# Altium PCB GN-1866-A-V2.PCBDOC (part 4 of 5) (continued)
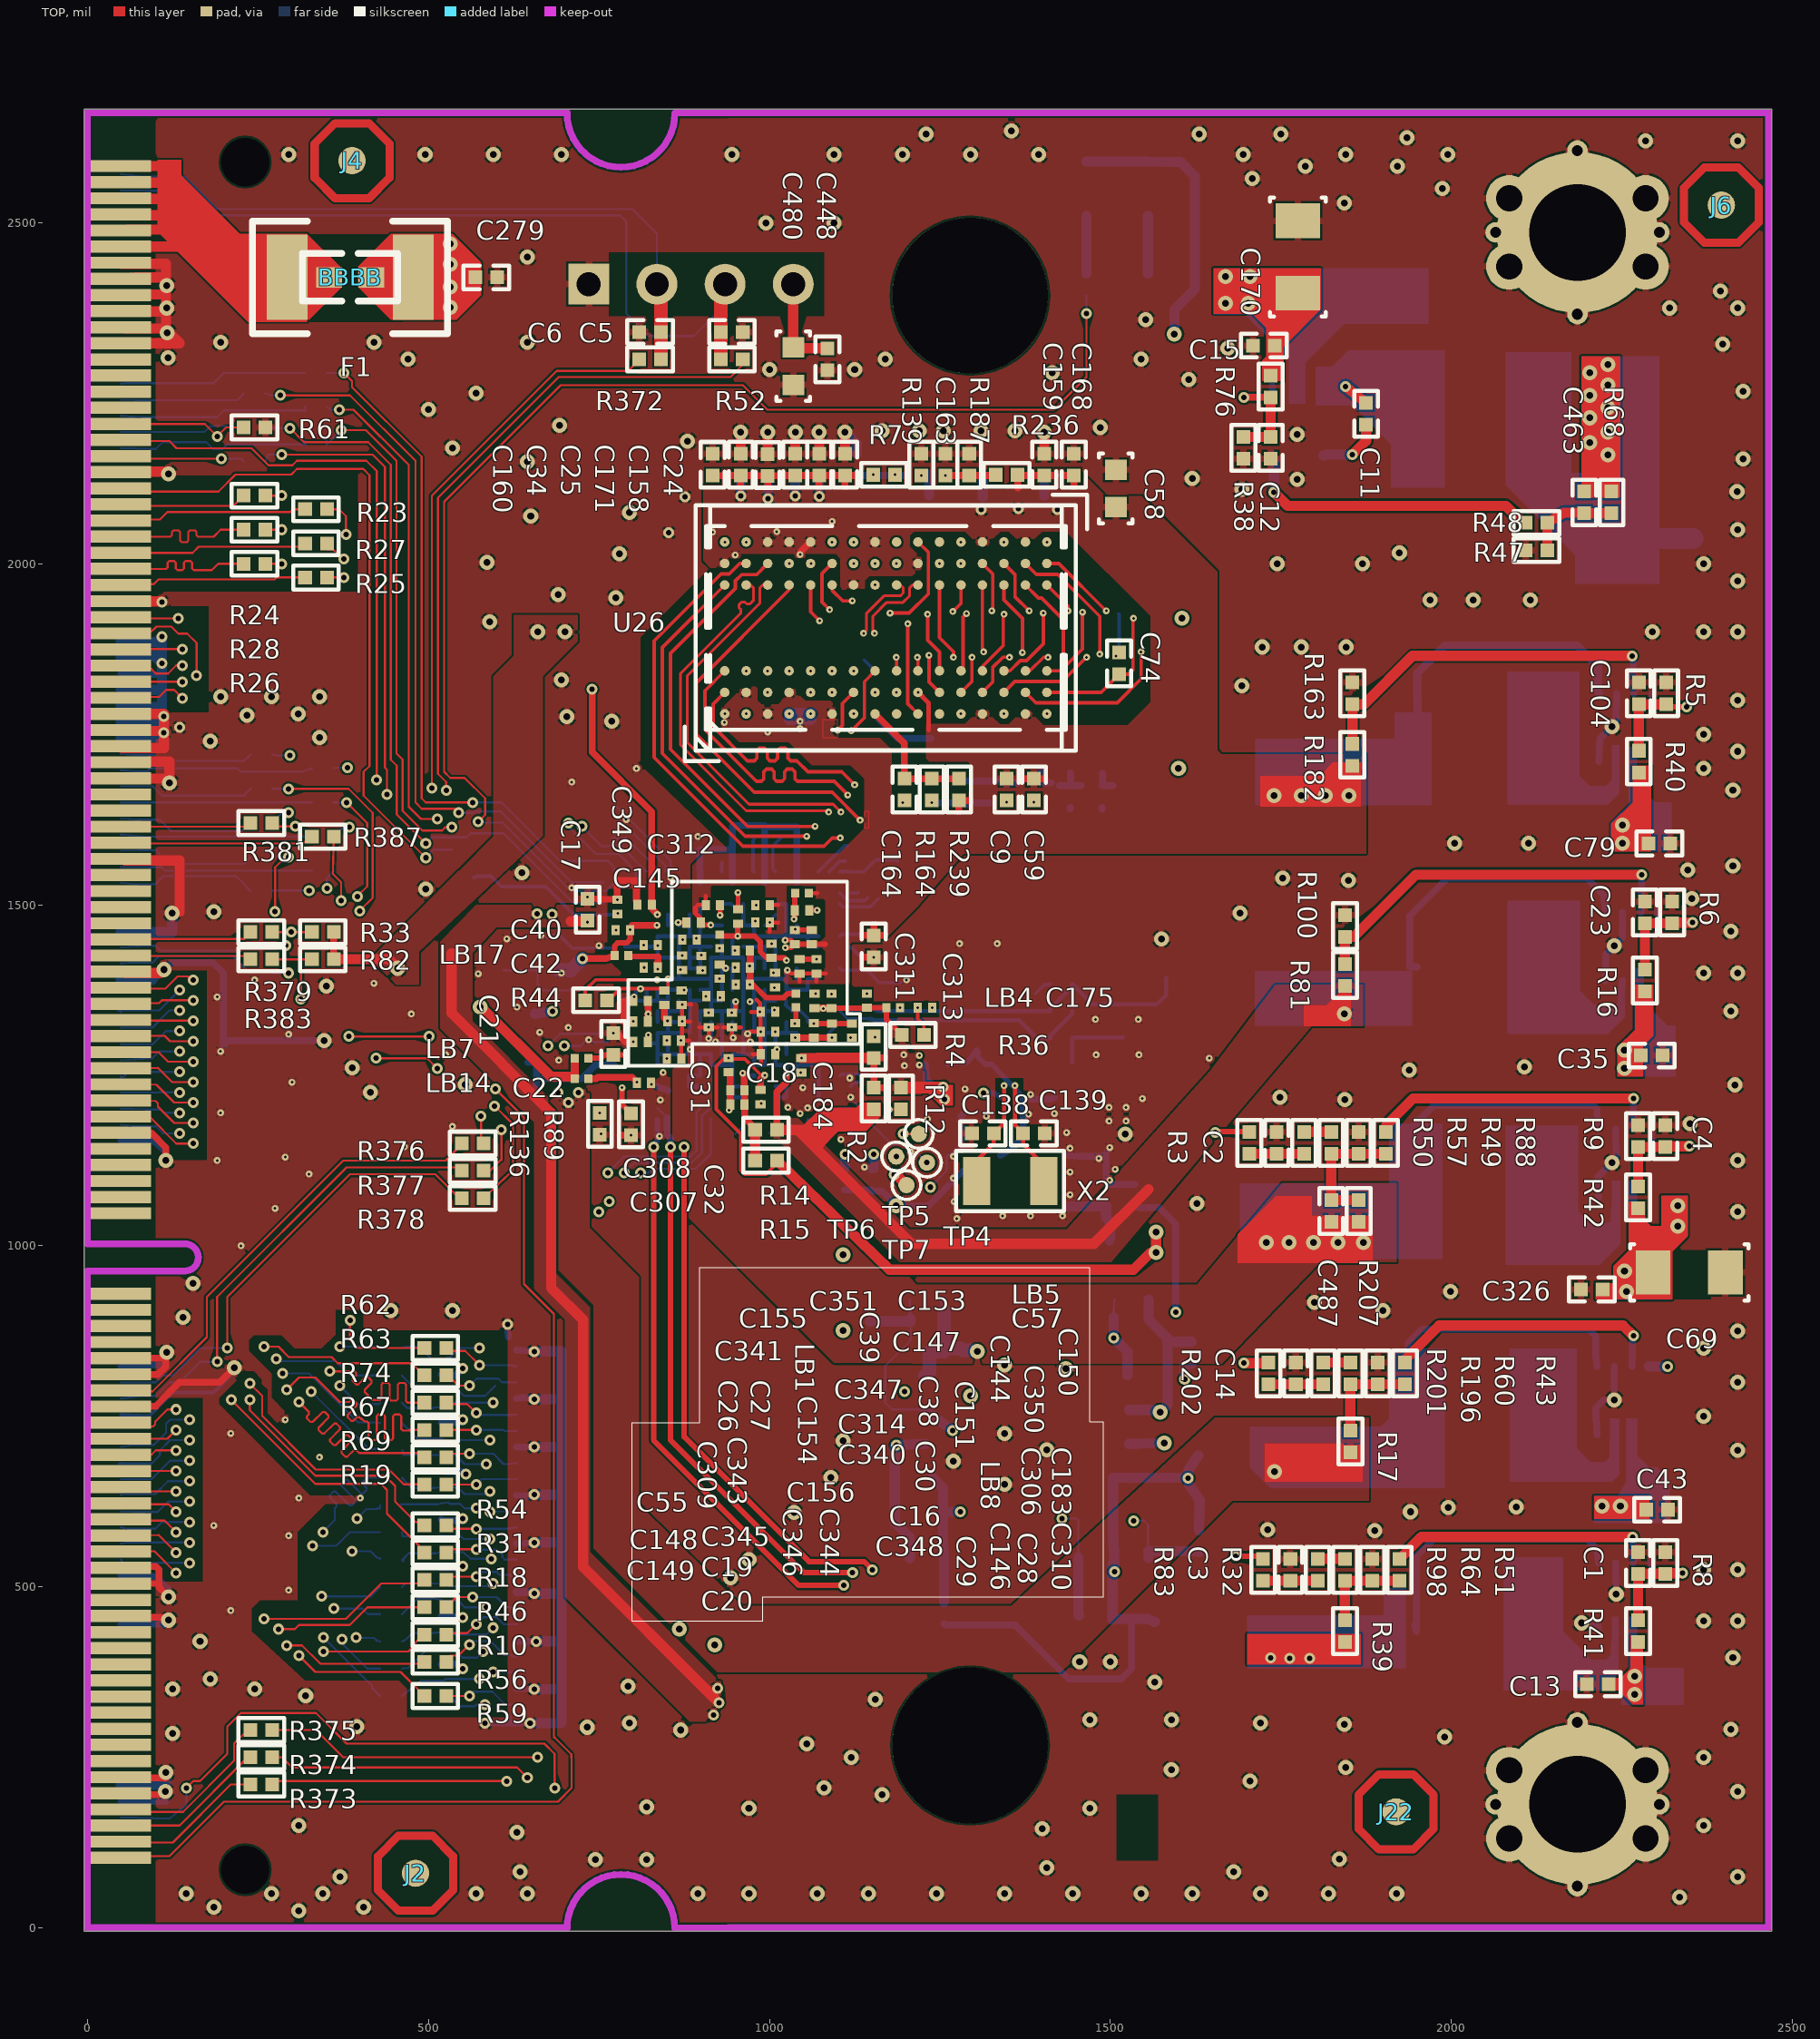
[diagram p0: TOP view]
## Nets (pads, with @x,y where several pads share a name; then routed paths per layer and width w, separated by ;. In a path a pad name is that pad's centre, name@x,y a point inside that pad or via, vN(x,y) a via of type N, cw(c..) or ccw(c..) an arc to the next point about the centre after c; other vN are vias at no path point) (continued)
SFC_CLK: R21.1 U18.6 U20.16 | length 265
  BOTTOM w15: U18.6@1527.61,759.61 1527.76,759.46 1529.46,759.46 1529.6,759.32 1569.68,759.32 v2(1573,756) 1584,767 1584,862 1585,863 ; U20.16@1556,921.47 1556,892 1585,863 ; R21.1@1619,859 1589,859 1585,863
SFC_CSN0: R73.1 U3.U3 U18.1 U20.7 | length 1043.3
  ART03 w3: v4(1280,610) 1295,625 v2(1295,780)
  ART05 w3: v1(1087.59,1296.62) 1092.01,1292.2 1152.6,1292.2 1280,1164.8 1280,914 1274.8,908.8 1274.8,800 1294.8,780 v2(1295,780)
  BOTTOM w3: U18.1@1228.39,659.61 U18.1@1239.65,659.81
  BOTTOM w15: U18.1@1239.65,659.81 1254.65,644.82 1254.65,610 ; R73.1@1256,478 U20.7@1256,542.53 1254.65,564.98 1254.65,610 ; v4(1280,610) 1254.65,610
SFC_HOLD_IO3: R127.2 U3.AA3 U20.1 | length 1187.7
  ART03 w3: v5(1087,1248) 1102,1233 1102,1165 1126.5,1140.5 1126.5,1103.5 1150,1080 1150,710 1300,560 1496.53,560 1534,597.47 v4(1534,597)
  ART05 w3: v5(1087,1248) 1087.59,1247.41 v1(1087.59,1233.63)
  BOTTOM w3: v4(1534,597) 1549,597 1555,591 1555,573 U20.1@1555.69,551.99
  BOTTOM w15: U20.1@1556,542.53 1556,551.68 1555.69,551.99 1629.01,551.99 R127.2@1630,551
SFC_MISO_IO1: U3.Y2 U18.2 U20.8 | length 864.2
  ART05 w3: v1(1144.73,1251.5) 1145.23,1251 1151.7,1251 1223.7,1179 1223.7,1153 1213,1142.3 1213,1076.7 1223.7,1066 1223.7,895.7 1213,885 1213,779 1186,752 v4(1186,708)
  BOTTOM w3: v4(1186,708) v4@1187,708
  BOTTOM w5: U3.Y2@1103.33,1249.38 1105.45,1251.5 v1(1144.73,1251.5)
  BOTTOM w15: v4(1186,708) 1184,706 1184,594 1205,573 U20.8@1206,542.53 ; v4@1187,708 U18.2@1228.39,709.61
SFC_MOSI_IO0: U3.V1 U18.5 U20.15 | length 1024
  ART05 w3: v1(1119.08,1280.88) 1153.73,1280.88 1266.81,1167.81 1266.81,774.19 1284,757 1437,757 1505,825 v4(1505,865)
  BOTTOM w3: U20.15@1504.99,895 1504.99,898.46 U20.15@1506,921.47 ; U18.5@1525.02,810.11 U18.5@1527.61,809.61
  BOTTOM w15: U20.15@1505,894.99 v4(1505,865) 1525.02,844.98 U18.5@1525.02,810.11
SFC_WP_IO2: R216.2 U3.W2 U18.3 U20.9 | length 977.9
  ART05 w3: v1(1103.33,1265.13) 1114.76,1253.7 1123.5,1253.7 1133,1263.2 1148.9,1263.2 1250,1162.1 1250,748 v4(1269,729)
  BOTTOM w3: U20.9@1206,921.47 U20.9@1206.78,893 ; U20.9@1206.92,887.97 1207,885 1207,861 1170,824 1170,770 1180,760 1228,760 U18.3@1228.39,759.61
  BOTTOM w15: R216.2@1148,889 1152.93,888.91 1205.98,888.91 1206.92,887.97 1206.92,892.86 U20.9@1206.78,893 ; U18.3@1228.39,759.61 v4(1269,729)
SPI_NAND_SEL: R13.1 U3.E23 | length 230.8
  BOTTOM w5: R13.1@566,1540 569,1540 571,1542 591.88,1542 607,1526.88 671.88,1526.88 713.16,1485.6 U3.E23@772.63,1485.6
SVB_PWM0_VDD: R202.2 U3.AA19 | length 1833.4
  TOP w8: v4(875,1145) 875,720 1058,537 1139,537 v4(1151,525)
  TOP w15: v4(1696,828) 1731,828 R202.2@1732,829
  ART05 w8: v4(1151,525) 1228,448 1609,448 1663,502 1663,564 1696,597 v4(1696,828)
  ART05 w10: v1(851,1228) 851,1180 875,1156 v4(875,1145)
  BOTTOM w10: U3.AA19@835.62,1233.63 v1(851,1228)
SVB_PWM2_MEDIA: R3.2 U3.AC19 | length 2159.8
  TOP w8: v4(855,1145) 855,715 1037.48,533.48 1049.96,521 v4(1122,521) ; v4(1654,1166) 1654,1167 1654.61,1167.61 1696.99,1167.61 R3.2@1704,1167
  ART05 w8: v4(1122,521) 1122,536 1132,546 1162,546 1244,464 1600,464 1642,506 1642,576 1666,600 1666,1136.34 1653,1149.34 1653,1165 v4(1654,1166)
  BOTTOM w3: U3.AC19@835.62,1202.14 850,1188
  BOTTOM w10: 850,1188 850,1163 855,1158 v4(855,1145)
SVB_PWM3_CPU: R83.2 U3.AD19 | length 1562.8
  TOP w8: v4(830,1145) 830,715 1043,502 v4(1109,502) ; v4(1684,545) 1720,545 R83.2@1724,541
  ART05 w8: v4(1109,502) 1143,502 1213,432 1213,431 1618,431 1683,496 1683,544 v4(1684,545)
  BOTTOM w3: U3.AD19@835.45,1184.95 U3.AD19@835.62,1186.39
  BOTTOM w8: v4@830.48,1145.75 831.89,1147.15 831.89,1150 835.45,1153.56 U3.AD19@835.45,1184.95
  BOTTOM w10: v4(830,1145) v4@830.48,1145.75
SYS_RSTN_OUT: C212.1 R80.1 U3.AA1 U18.7 U20.3 | length 1729.5
  ART03 w3: v4(1198,786) 1240,786 1254,800 1405,800 1445,760 1445,735 1469,711 ; v4(1429,600) 1429,671 1469,711 ; 1539,711 1469,711
  ART03 w10: v2(1579,711) 1539,711 1539,846 v4(1596,903)
  ART05 w3: v1(1129,1240) 1153,1240 1212.5,1180.5 1212.5,1157 1202,1146.5 1202,1076 1212.5,1065.5 1212.5,900.78 1198,886.28 v4(1198,786)
  BOTTOM w3: v4(1429,600) 1450,600 1453,597 1453,543 U20.3@1456,542.53
  BOTTOM w5: U3.AA1@1119.08,1233.63 1125.45,1240 v1(1129,1240)
  BOTTOM w10: R80.1@1536,1058 1542,1056 1572,1056 1596,1032 v4(1596,903)
  BOTTOM w15: U20.3@1453,543 1453,462 C212.1@1454,458 ; U18.7@1527.61,709.61 v2(1579,711)
UART0_RXD: R372.1 U3.Y18 | length 1836.2
  TOP w3: v4(505,1671) 505,2100 688,2283 793,2283 805,2295 R372.1@809,2300
  ART03 w3: v5(450,1260) 450,1296 411,1335 411,1481 439,1509 439,1605 v4(505,1671)
  ART05 w3: v5(450,1260) 450,1242 567,1125 785,1125 837,1177 837,1215 837.5,1215.5 837.5,1216.5 839,1218 840,1218 840,1238.01 v1(851.37,1249.38)
UART0_TXD: R52.1 U3.Y19 | length 1959.1
  TOP w3: v4(526,1668) 526,1680 514,1692 514,2097 691,2274 943,2274 961,2292 R52.1@961,2300
  ART03 w3: v5(468,1251) 468,1292.05 420,1342.05 420,1476.75 446.62,1503.38 446.62,1588.62 v4(526,1668)
  ART05 w3: v5(468,1251) 468,1236 569,1135 785,1135 830,1180 830,1226 832.12,1228.12 832.12,1245.88 v1(835.62,1249.38)
UART1_RXD: R384.1 U3.U22 | length 624.7
  ART05 w3: v4(295,1400) 295,1419 304,1428 328,1428 457,1299 474.62,1299 498,1275.62 522,1275.62 528,1269.62 575,1269.62 584.38,1260.24 734,1260.24 767.88,1294.12 784.7,1294.12 787.2,1296.62 v1(788.37,1296.62)
  BOTTOM w3: R384.1@271,1400 v4(295,1400)
UART1_TXD: R380.1 U3.T22 | length 607.3
  ART05 w3: v4(291,1440) 329,1440 461,1308 480,1308 504,1284 528,1284 534,1278 578.69,1278 589,1267.68 728,1267.68 762.34,1302.03 775.66,1302.03 786,1312.37 v1(788.37,1312.37)
  BOTTOM w3: R380.1@271,1440 v4(291,1440)
USB2_DM: TP1.1 U3.G21 | length 295.3
  ART05 w3: v1(535,1495) 560,1470 598,1470 625,1443 793,1443 795,1445 v1(804.12,1454.1)
USB2_DP: TP2.1 U3.G20 | length 299
  ART05 w3: v1(535,1450) 600,1450 615,1435 800.77,1435 v1(819.87,1454.1)
USB2_PWREN: TP3.1 U3.G22 | length 342
  ART05 w3: v1(500,1475) 500,1495 515,1510 555,1510 570,1495 587,1495 633,1449 772.9,1449 778,1454.1 v1(788.37,1454.1)
USB2_REXT: R241.1 U3.H23 | length 108.2
  BOTTOM w5: R241.1@674,1452 674.47,1452.47 674.53,1452.47 677.07,1455 692.57,1455 711,1436.57 770.84,1436.57 U3.H23@772.63,1438.36
VCC_CPU_CORE: C17.1 C26.1 C27.1 C67.1 C70.1 C341.1 C349.1 CPU_CORE.1 L7.1 R39.1 U1.5 U3.H14 U3.H15 U3.H16 U3.J15 U3.J16 U3.K15 U3.K16 | length 2806.2
  TOP w15: 534,1429 534,1341 680,1195 680,938 727,891 727,529 914.5,341.5 v4(926,330) ; 709,1476 733,1476 C17.1@733.38,1477.03
  ART02 w10: v3(733.38,1474.53) v5(745,1470) v3(777.6,1487.2) ; v3(872,1425.5) 885.93,1411.57 v5(885.93,1409.87) v3(900,1426) v5(898,1439) v3(893,1451)
  ART03 w15: v4(926,330) 1066,330 1154,418 1669,418 1689,398 1733,398 v4(1735,396)
  BOTTOM w6: v1(914.36,1438.36) U3.H15@898.61,1438.36 ; v1(882.86,1422.61) U3.K16@882.86,1406.86 v1(898.61,1406.86) v1(898.61,1422.61) ; v1(882.86,1422.61) v1(882.86,1438.36) U3.H15@898.61,1438.36 ; v1(882.86,1422.61) v1(898.61,1422.61) ; v1(898.61,1422.61) U3.H15@898.61,1438.36
  BOTTOM w10: L7.1@1946.35,444 1949,435 1949,545 1974,570 2199,570 2214,555 U1.5@2215.61,535.12
  other v4: 918,312 924,351 1763,395 1792,395 681,1486 659,1487
VCC_MEDIA_CORE: C16.1 C18.1 C19.1 C20.1 C68.1 C82.1 C343.1 C344.1 C345.1 C346.1 C348.1 C487.1 L4.2 MEDIA_CORE.1 R207.1 U3.M10 U3.M16 U3.N10 U3.N15 U3.N16 U3.P10 U3.P16 U3.R10 U3.R12 U3.R14 U3.R16 U3.T10 U3.T12 U3.T14 U3.T16 U3.U12 U3.U14 U17.5 | length 1027.4
  TOP w6: C20.1@870.58,1274.59 v3(870.5,1300.99) ; C343.1@871.08,1353.09 v3(872,1354) ; C345.1@871.58,1329.59 v3(872,1329) ; 882.52,1300.99 v3(870.5,1300.99) ; 884,1329 v3(872,1329) ; 885,1354 v3(872,1354) ; 897.48,1320.5 v3(911,1320.5) ; v3(911,1304) v3(911,1320.5) ; 924.52,1320.5 v3(911,1320.5) ; 931.48,1320.5 v3(945,1320.5) ; v3(947,1305) 945,1308.48 v3(945,1320.5) ; 958.52,1320.5 v3(945,1320.5) ; v3(968,1311) 971,1314 v3(987,1314) ; 973,1343 v3(986,1343) ; 975.48,1281 C18.1@987.5,1280.99 ; 981,1361 986,1356 v3(986,1343) ; 987.5,1267.18 C18.1@987.5,1280.99 ; C348.1@987.5,1313.99 v3(987,1314) ; C16.1@987.5,1342.99 v3(986,1343) ; v3(870.5,1300.99) 872,1302.49 v3(872,1329) ; v3(872,1329) 872,1329.59 v3(872,1354) ; v3(986,1343) 986,1334.5 987,1333.5 v3(987,1314) ; v3(987,1314) 987,1290.5 987.5,1290 C18.1@987.5,1280.99
  ART03 w10: v5(882,1313.9) 882,1339.05 v5(882.61,1339.66) ; v5(932,1304) v5(932,1321)
  BOTTOM w6: v1(882.86,1375.36) v1(882.86,1359.62) ; v1(898.61,1359.62) v1(882.86,1359.62) ; v1(914.36,1296.62) v1(914.36,1312.37) v1(914.36,1328.12) ; v1(945.85,1296.62) v1(945.85,1312.37) v1(945.85,1328.12) ; v1(977.35,1312.37) U3.R10@977.35,1328.12 U3.P10@977.35,1343.87 v1(977.35,1359.62) v1(977.35,1375.36) ; U3.R16@882.86,1328.12 U3.P16@882.86,1343.87 v1(882.86,1359.62) ; U3.R16@882.86,1328.12 v1(882.8,1326.5) U3.T16@882.86,1312.37 882.86,1326.5 U3.R16@882.86,1328.12
  BOTTOM w10: L4.2@1949.35,1081 1949,1121 1944,1121 1944,1176 1974,1206 2209,1206 2214,1201 2214,1191 U17.5@2215.61,1171.12
  other v2: 1729,1005 1762,1005 1798,1005 1834,1005 1871,1005
  other v3: 884,1288 921,1299 972,1299 971.5,1357.99
  other v5: 974,1325 974,1342
VCC_VDD_DDR_CORE: C40.1 C71.1 C72.1 C154.1 C156.1 C314.1 C340.1 C347.1 DDR_CORE.1 L3.1 LB8.2 R17.2 U2.5 U3.H9 U3.H10 U3.H11 U3.H18 U3.J9 U3.J10 U3.K9 U3.K10 U3.K12 U3.K13 U3.L12 U3.L13 U3.M12 U3.M13 | length 868.1
  TOP w8: v3(971.5,1383) 976,1383 995,1364 1021,1364 1027,1370 LB8.2@1039,1370
  TOP w10: v3(971.5,1383) 971.52,1387 971.52,1406.92 C314.1@971.6,1408 971.6,1410 C347.1@971.6,1433
  ART02 w10: v3(836.47,1440.5) v5(836.8,1422.9) ; v3(927,1391.5) v5(931,1377) v3(927.5,1364)
  ART05 w10: v5(836.8,1422.9) v1(851.37,1438.36) ; v1(961.6,1438.36) v1(977.35,1438.36)
  BOTTOM w6: U3.M13@930.11,1375.36 v1(930.11,1391.11) v1(930.11,1406.86) v1(945.85,1406.86) v1(945.85,1391.11) v1(945.85,1375.36) ; v1(961.6,1438.36) v1(977.35,1438.36) v1(993.1,1438.36) v1(993.1,1422.61) ; U3.K10@977.35,1406.86 U3.J10@977.35,1422.61 v1(993.1,1422.61) ; v1(993.1,1406.86) v1(993.1,1422.61)
  BOTTOM w10: L3.1@1947.35,753 1942,783 1937,783 1937,858 1957,878 2202,878 2212,868 2212,838 U2.5@2213.61,823.12
  BOTTOM w15: v2(1741,669) C71.1@1742,710
  other v3: 971,1410
  other v4: 705,1210 690,1225 720,1225
  other v5: 979.9,1400.07 975,1423
VDAC_CVBS: R89.1 U3.W21 | length 101.3
  TOP w8: v3(784,1232) 784,1207 R89.1@797,1194
  ART02 w10: v5(772.23,1236.49) v3(784,1232)
  ART05 w8: v5(772.23,1236.49) 772.23,1239.12 798.24,1265.13 v1(804.12,1265.13)
VDAC_IREF: R136.1 U3.Y21 | length 79.9
  ART02 w10: v3(751.38,1195.03) v5(771.38,1209.03)
  ART05 w8: v5(771.38,1209.03) 790.6,1228.25 790.6,1238.6 801.38,1249.38 v1(804.12,1249.38)
VI0_CK: J1.56 R59.1 | length 762
  TOP w3: J1.56@49,740.61 48,738 78,738 81,735 96,735 99,738 99,742 117,760 v4(130,760) ; v4(310,399) 334,375 459,375 491.88,342.12 494,342.12 494.42,342.12 R59.1@494,340
  ART03 w3: v4(130,760) 160,760 169,751 169,711 310,570 v4(310,399)
VI0_D0: J1.39 R71.1 | length 470.8
  ART05 w3: v4(150,535) 162.02,522.98 162.02,513.36 192.38,483 289,483 v4(346,426)
  BOTTOM w3: J1.39@49,539.82 52,535 v4(150,535) ; v4(346,426) 417,355 417,352 R71.1@429,340
VI0_D1: J1.41 R45.1 | length 438
  ART05 w3: v4(150,565) 288.62,565 361,492.62 v4(361,468)
  BOTTOM w3: J1.41@49,563.44 58,565 v4(150,565) ; v4(361,468) 403,468 411,460 R45.1@429,460
VI0_D2: J1.43 R46.1 | length 754.3
  TOP w3: v4(280,438) 304,438 310,444 384.5,444 410.5,470 R46.1@494,470
  ART03 w3: v4(150,595) 171.75,595 174,597.25 174,617 175,618 184,618 186,616 186,594.53 188.25,592.28 195.75,592.28 198,594.53 198,617 199,618 208,618 210,616 210,594.53 212.25,592.28 219.75,592.28 222,594.53 222,617 223,618 232,618 234,616 234,591.51 236.25,589.26 243.75,589.26 246,591.51 246,596.02 248.25,598.27 252,598.27 280,570.27 v4(280,438)
  BOTTOM w3: J1.43@49,587.06 58,585 99,585 109,595 v4(150,595)
VI0_D3: J1.45 R53.1 | length 783.4
  ART05 w3: v4(150,625) 169,606 169,591 178,582 187.75,582 190,584.25 190,612.08 192.25,614.33 199.75,614.33 202,612.08 202,585.54 204.25,583.29 211.75,583.29 214,585.54 214,612.08 216.25,614.33 223.75,614.33 226,612.08 226,585.54 228.25,583.29 235.75,583.29 238,585.54 238,612.08 240.25,614.33 247.75,614.33 250,612.08 250,585.54 252.25,583.29 259.75,583.29 262,585.54 262,612.08 264.25,614.33 271.75,614.33 274,612.08 274,585.54 276.25,583.29 283.75,583.29 286,585.54 286,612.08 288.25,614.33 295.75,614.33 298,612.08 298,585.54 300.25,583.29 307.75,583.29 310,585.54 310,612.08 312.25,614.33 319.75,614.33 322,612.08 322,568 v4(330,560)
  BOTTOM w3: J1.45@49,610.68 85.02,609.54 102.54,609.54 118,625 v4(150,625) ; v4(330,560) 365,560 385,580 R53.1@429,580
VI0_D4: J1.47 R54.1 | length 813.3
  TOP w3: v4(238,774) 238,759 334,663 436,663 451,648 451,625 481,595 489,595 R54.1@494,590
  ART03 w3: v4(150,655) 102.38,655 79,678.38 79,777 91,789 223,789 v4(238,774)
  BOTTOM w3: J1.47@49,634.31 52,636 99,636 118,655 v4(150,655)
VI0_D5: J1.49 R55.1 | length 748
  ART05 w3: v4(150,685) 175,660 283,660 292,651 292,639 298,633 304.75,633 307,635.25 307,652.31 309.25,654.56 316.75,654.56 319,652.31 319,636.58 321.25,634.33 328.75,634.33 331,636.58 331,652.31 333.25,654.56 340.75,654.56 343,652.31 343,636.58 345.25,634.33 352.75,634.33 355,636.58 355,644.04 357.25,646.29 364.75,646.29 367,644.04 367,507 379,495 379,447 373.5,441.5 373.5,423.5 v4(373,423)
  BOTTOM w3: J1.49@49,657.93 55,658 94,658 121,685 v4(150,685) ; v4(373,423) 370,420 410,380 R55.1@429,380
VI0_D6: J1.51 R56.1 | length 776.1
  TOP w3: v4(292,414) 314.5,414 341.5,387 489,387 489,390 R56.1@494,390
  ART03 w3: v4(150,715) 300.33,564.67 300.33,542.25 298.08,540 291.49,540 289.24,537.75 289.24,530.25 291.49,528 297.98,528 300.23,525.75 300.23,518.25 297.98,516 291.49,516 289.24,513.75 289.24,506.25 291.49,504 297.98,504 300.23,501.75 300.23,494.25 297.98,492 291.49,492 289.24,489.75 289.24,482.25 291.49,480 297.98,480 300.23,477.75 300.23,470.25 297.98,468 291.49,468 289.24,465.75 289.24,458.25 291.49,456 298.75,456 301,453.75 301,423 v4(292,414)
  BOTTOM w3: J1.51@49,681.55 46,681 94,681 106,693 106,700 121,715 v4(150,715)
VI0_D7: J1.53 R58.1 | length 827.8
  ART05 w3: v4(150,745) 174.75,745 177,747.25 177,758.38 179.25,760.63 186.75,760.63 189,758.38 189,741.76 191.25,739.51 198.75,739.51 201,741.76 201,756.16 203.25,758.41 210.75,758.41 213,756.16 213,741.76 215.25,739.51 222.75,739.51 225,741.76 225,756.16 227.25,758.41 234.75,758.41 237,756.16 237,741.76 239.25,739.51 246.75,739.51 249,741.76 249,756.16 251.25,758.41 258.75,758.41 261,756.16 261,742.35 263.25,740.1 332.9,740.1 412,661 412,482 394,464 v4(394,426)
  BOTTOM w3: J1.53@49,705.17 67,708 97,708 115,726 115,739 121,745 v4(150,745) ; v4(394,426) 394,425 420.29,425 425.02,420.27 R58.1@429,420
VI0_D8: J1.40 R10.1 | length 765.8
  TOP w3: J1.40@49,551.63 98,552 v4(130,520) ; v4(346,405) 347.2,402.6 352,405 470.44,405 490.04,429.6 R10.1@494,430
  ART03 w3: v4(130,520) 136,520 136,518 137,519 169.75,519 172,521.25 172,561 175,564 180.25,564 184,560.25 184,530.94 186.25,528.69 193.75,528.69 196,530.94 196,552.49 198.25,554.74 205.75,554.74 208,552.49 208,530 210.25,527.75 217.75,527.75 220,530 220,552.49 222.25,554.74 238.26,554.74 241,552 241,513 244,510 244,443.19 302.19,385 328,385 v4@347.2,404.2 ; v4(346,405) v4@347.2,404.2 ; v4@347.2,404.2 347.38,404.08 348,405 v4@347.2,404.2
VI0_D9: J1.42 R11.1 | length 694.2
  TOP w3: J1.42@49,575.25 104,576 v4(130,550)
  ART05 w3: v4(130,550) 163,550 172,541 172,513 178,507 187.75,507 190,509.25 190,539.72 192.25,541.97 199.75,541.97 202,539.72 202,510.6 204.25,508.35 211.75,508.35 214,510.6 214,539.72 216.25,541.97 223.75,541.97 226,539.72 226,510.6 228.25,508.35 235.75,508.35 238,510.6 238,539.72 240.25,541.97 247.75,541.97 250,539.72 250,510.6 252.25,508.35 259.75,508.35 262,510.6 262,539.72 264.25,541.97 271.75,541.97 274,539.72 274,516 280.09,509.91 317,509.91 323,503.91 323,490 327,486 v4(343,486)
  BOTTOM w3: v4(343,486) 415,486 R11.1@429,500
VI0_D10: J1.44 R18.1 | length 792
  TOP w3: J1.44@49,598.87 40,597 113,597 v4(130,580) ; v4(259,453) 378.85,453 430.85,505 494,505 R18.1@494,510
  ART03 w3: v4(130,580) 192.75,580 196,576.75 196,566.67 198.25,564.42 205.75,564.42 208,566.67 208,578.07 210.25,580.32 217.75,580.32 220,578.07 220,567.52 222.25,565.27 229.75,565.27 232,567.52 232,578.07 234.25,580.32 241.75,580.32 244,578.07 244,567.52 246.25,565.27 251.27,565.27 256,570 265,570 270.37,564.63 270.37,551.25 268.12,549 255.81,549 253.56,546.75 253.56,539.25 255.81,537 270.03,537 272.28,534.75 272.28,527.25 270.03,525 255.81,525 253.56,522.75 253.56,515.25 255.81,513 270.03,513 272.28,510.75 272.28,503.25 270.03,501 255.81,501 253.56,498.75 253.56,491.25 255.81,489 270.03,489 272.28,486.75 272.28,479.25 270.03,477 261.25,477 259,474.75 v4(259,453)
VI0_D11: J1.46 R19.1 | length 801.6
  TOP w3: J1.46@49,622.5 61,621 119,621 v4(130,610) ; v4(238,798) 256,780 256,750.62 334.62,672 442,672 463.87,650.13 R19.1@490.97,650.13 ; R19.1@491,650.1 R19.1@494,650
  ART03 w3: v4(130,610) 114,610 70,654 70,783 85,798 v4(238,798)
VI0_D12: J1.48 R30.1 | length 801.5
  TOP w3: J1.48@49,646.12 49,643 46,640 v4(130,640)
  ART05 w3: v4(130,640) 159,640 175,624 190.75,624 193,626.25 193,649.31 195.25,651.56 202.75,651.56 205,649.31 205,625.46 207.25,623.21 214.75,623.21 217,625.46 217,649.31 219.25,651.56 226.75,651.56 229,649.31 229,625.46 231.25,623.21 238.75,623.21 241,625.46 241,649.31 243.25,651.56 250.75,651.56 253,649.31 253,625.46 255.25,623.21 262.75,623.21 265,625.46 265,649.31 267.25,651.56 274.75,651.56 277,649.31 277,625.46 279.25,623.21 286.75,623.21 287.54,624 333.96,624 337,620.96 337,603 345,595 v4(345,580)
  BOTTOM w3: v4(345,580) 362.53,597.53 362.53,615.61 365.18,618.27 365.18,621.45 355.44,631.19 355.44,634.37 360.75,639.67 363.93,639.67 384.45,619.15 387.63,619.15 392.94,624.46 392.94,627.64 372.12,648.45 372.12,651.64 377.42,656.94 380.61,656.94 400.83,636.71 404.01,636.71 409.32,642.02 409.32,645.2 403.35,651.17 403.35,654.35 409,660 R30.1@429,660
VI0_D13: J1.50 R31.1 | length 755.9
  TOP w3: J1.50@49,669.74 v4(130,670) ; v4(211,774) 334,651 430,651 439,642 439,607.23 487.56,558.67 487.56,558.25 489.26,556.55 489.26,556.37 R31.1@494,550
  ART03 w3: v4(130,670) 97,670 88,679 88,774 94,780 175,780 181,774 187.75,774 190,771.75 190,767.95 192.25,765.7 199.75,765.7 207.7,773.66 210.66,773.66 v4(211,774)
VI0_D14: J1.52 R34.1 | length 793.7
  TOP w3: J1.52@49,693.36 94,694 100,700 v4(130,700)
  ART05 w3: v4(130,700) 157,700 188,669 193.75,669 196,671.25 196,694.89 198.25,697.14 205.75,697.14 208,694.89 208,670.64 210.25,668.39 217.75,668.39 220,670.64 220,694.89 222.25,697.14 229.75,697.14 232,694.89 232,670.64 234.25,668.39 241.75,668.39 244,670.64 244,694.89 246.25,697.14 253.75,697.14 256,694.89 256,670.64 258.25,668.39 265.75,668.39 268,670.64 268,694.89 270.25,697.14 277.75,697.14 280,694.89 280,670.64 282.25,668.39 289.75,668.39 292,670.64 292,694.89 294.25,697.14 301.75,697.14 304,694.89 304,668.33 306.25,666.08 313.75,666.08 316,668.33 316,689.79 318.25,692.04 329.96,692.04 376.86,645.14 376.86,563.14 v4(388,552)
  BOTTOM w3: v4(388,552) 415,552 425,542 429,542 R34.1@429,540
VI0_D15: J1.54 R35.1 | length 786.1
  TOP w3: J1.54@49,716.98 52,717 117,717 v4(130,730)
  ART05 w3: v4(130,730) 162,730 187,705 196.75,705 199,707.25 199,727.51 201.25,729.76 208.75,729.76 211,727.51 211,707.27 213.25,705.02 220.75,705.02 223,707.27 223,727.51 225.25,729.76 232.75,729.76 235,727.51 235,707.27 237.25,705.02 244.75,705.02 247,707.27 247,727.51 249.25,729.76 256.75,729.76 259,727.51 259,707.27 261.25,705.02 268.75,705.02 271,707.27 271,727.51 273.25,729.76 280.75,729.76 283,727.51 283,707.27 285.25,705.02 292.75,705.02 295,707.27 295,727.51 297.25,729.76 304.75,729.76 307,727.51 307,706.34 309.25,704.09 316.75,704.09 319,706.34 319,727.51 321.25,729.76 328.75,729.76 331,727.51 331,707.08 347.73,690.35 354.83,690.35 360.65,696.17 363.84,696.17 369.14,690.87 369.14,687.68 363.17,681.71 363.17,678.53 368.47,673.22 371.65,673.22 377.62,679.2 380.81,679.2 386.11,673.89 386.11,670.71 380.14,664.74 380.14,661.56 395,646.69 v4(395,600)
  BOTTOM w3: v4(395,600) 408.88,613.88 423.88,613.88 425,615 429,615 R35.1@429,620
VI1_CLK: J1.102 U3.AC15 | length 1825.1
  TOP w3: J1.102@49,1378.4 87,1377 114,1377 132,1395 147,1395 153,1389 156,1389 v4(155,1390)
  ART03 w3: v4(155,1390) 172,1373 172,1320 208,1284 208,1140 217,1131 274,1131 346,1059 496.75,1059 499,1061.25 499,1079.8 501.25,1082.05 508.75,1082.05 511,1079.8 511,1028.19 513.25,1025.94 520.75,1025.94 523,1028.19 523,1079.8 525.25,1082.05 532.75,1082.05 535,1079.8 535,1028.19 537.25,1025.94 544.75,1025.94 547,1028.19 547,1079.8 549.25,1082.05 556.75,1082.05 559,1079.8 559,1028.19 561.25,1025.94 568.75,1025.94 571,1028.19 571,1079.8 573.25,1082.05 580.75,1082.05 583,1079.8 583,1028.19 585.25,1025.94 592.75,1025.94 595,1028.19 595,1079.8 597.25,1082.05 604.75,1082.05 607,1079.8 607,1028.19 609.25,1025.94 616.75,1025.94 631.35,1040.54 637,1040.54 648.65,1052.19 648.65,1055.37 636.78,1067.25 636.78,1070.43 642.08,1075.73 645.26,1075.73 664.9,1056.1 668.08,1056.1 673.38,1061.4 673.38,1064.58 653.75,1084.22 653.75,1087.4 659.05,1092.7 662.23,1092.7 681.87,1073.07 685.05,1073.07 712.98,1101 748,1101 754,1107 v4(763,1107)
  BOTTOM w3: v4(763,1107) 787,1131 884,1131 893,1140 893,1196 896,1199 U3.AC15@898.61,1202.14
VI1_D0: J1.85 U3.AB15 | length 1743.7
  ART03 w3: v4(135,1165) 135,1086 196,1025 196,1023 223,996 238.75,996 241,993.75 241,940.46 243.25,938.21 250.75,938.21 253,940.46 253,993.69 255.25,995.94 262.75,995.94 265,993.69 265,940.46 267.25,938.21 274.75,938.21 277,940.46 277,993.69 279.25,995.94 286.75,995.94 289,993.69 289,940.46 291.25,938.21 298.75,938.21 301,940.46 301,993.69 303.25,995.94 310.75,995.94 313,993.69 313,940.46 315.25,938.21 322.75,938.21 325,940.46 325,993.69 327.25,995.94 334.75,995.94 337,993.69 337,940.46 339.25,938.21 354.96,938.21 357.21,940.46 357.21,954.99 359.46,957.24 366.96,957.24 369.21,954.99 369.21,941.63 371.46,939.38 378.96,939.38 381.21,941.63 381.21,954.99 383.46,957.24 390.96,957.24 393.21,954.99 393.21,941.63 395.46,939.38 402.96,939.38 405.21,941.63 405.21,954.99 407.46,957.24 414.96,957.24 417.21,954.99 417.21,941.63 419.46,939.38 640.38,939.38 750,1047 v4(750,1050)
  ART05 w3: v4(750,1050) 750,1071 757,1080 853.61,1080 895.61,1122 895.61,1203 898.61,1206 v1(898.61,1217.88)
  BOTTOM w3: J1.85@49,1177.61 70,1175 100,1175 110,1165 v4(135,1165)
VI1_D1: J1.87 U3.AB14 | length 1740.5
  ART03 w3: v4(135,1195) 166,1195 175,1186 175,1062 195.65,1041.35 198.83,1041.35 209.82,1052.34 213,1052.34 218.31,1047.03 218.31,1043.85 207.46,1033 207.46,1029.82 226,1011.28 238.75,1011 241,1013.25 241,1052.38 243.25,1054.63 250.75,1054.63 253,1052.38 253,1010.75 255.25,1008.5 262.75,1008.5 265,1010.75 265,1052.38 267.25,1054.63 274.75,1054.63 277,1052.38 277,1010.75 279.25,1008.5 286.75,1008.5 289,1010.75 289,1052.38 291.25,1054.63 298.75,1054.63 301,1052.38 301,1010.75 303.25,1008.5 339.5,1008.5 358,990 358,972 364,966 370.75,966 373,968.25 373,982.02 375.25,984.27 382.75,984.27 385,982.02 385,968.8 387.25,966.55 394.75,966.55 397,968.8 397,982.02 399.25,984.27 406.75,984.27 409,982.02 409,968.8 411.25,966.55 418.75,966.55 421,968.8 421,982.02 423.25,984.27 430.75,984.27 433,982.02 433,950.78 435.25,948.53 442.75,948.53 445,950.78 445,982.02 447.25,984.27 454.75,984.27 457,982.02 457,950.78 459.25,948.53 466.75,948.53 469,950.78 469,982.02 471.25,984.27 478.75,984.27 481,982.02 481,953.29 483.25,951.04 616.04,951.04 733,1065 v4(765,1065)
  ART05 w3: v4(765,1065) 856,1065 904,1116 904,1190 914.36,1200.36 v1(914.36,1217.88)
  BOTTOM w3: J1.87@49,1201.24 85,1200 85.38,1199.62 107.4,1199.62 112.03,1195 v4(135,1195)
VI1_D2: J1.89 U3.AD14 | length 1783
  ART03 w3: v4(135,1225) 106,1225 73,1258 73,1413 94,1434 157,1434 196,1395 196,1320 232,1284 232,1155.97 238,1149.97 271.75,1149.97 274,1152.22 274,1166.62 276.25,1168.87 283.75,1168.87 286,1166.62 286,1152.22 288.25,1149.97 295.75,1149.97 298,1152.22 298,1166.62 300.25,1168.87 307.75,1168.87 310,1166.62 310,1135.17 312.25,1132.92 319.75,1132.92 322,1135.17 322,1166.62 324.25,1168.87 331.75,1168.87 334,1166.62 334,1121.42 336.25,1119.17 343.75,1119.17 346,1121.42 346,1147.93 348.25,1150.18 355.75,1150.18 358,1147.93 358,1122.16 360.25,1119.91 367.75,1119.91 370,1122.16 370,1134.64 372.25,1136.89 379.75,1136.89 382,1134.64 382,1113.32 384.25,1111.07 391.75,1111.07 394,1113.32 394,1131.49 396.25,1133.74 403.75,1133.74 406,1131.49 406,1113.32 408.25,1111.07 415.75,1111.07 418,1113.32 456.68,1113.32 460,1110 631,1110 649,1128 745,1128 748,1131 787,1131 v4(811,1107)
  BOTTOM w3: J1.89@49,1224.86 105,1225 v4(135,1225) ; v4(811,1107) 823,1107 829,1113 892,1113 914,1135 914,1182 U3.AD14@914.36,1186.39
VI1_D3: J1.91 U3.AC14 | length 1773.2
  ART03 w3: v4(135,1255) 85,1305 85,1407 100,1422 154,1422 184,1392 184,1320 220,1284 220,1149 229,1140 283,1140 296.5,1126.5 297.09,1126.5 309,1114.58 312.19,1114.58 318.6,1120.99 321.78,1120.99 327.08,1115.69 327.08,1112.51 319.59,1105.02 319.59,1101.83 324.89,1096.53 328.07,1096.53 335.57,1104.02 338.75,1104.02 344.05,1098.72 344.05,1095.54 337.35,1088.83 337.35,1085.65 346,1077 352.75,1077 355,1079.25 355,1099.48 357.25,1101.73 364.75,1101.73 367,1099.48 367,1073.41 369.25,1071.16 376.75,1071.16 379,1073.41 379,1099.48 381.25,1101.73 388.75,1101.73 391,1099.48 391,1073.41 393.25,1071.16 400.75,1071.16 403,1073.41 403,1099.48 405.25,1101.73 412.75,1101.73 415,1099.48 415,1074.74 417.25,1072.49 424.75,1072.49 427,1074.74 427,1099.48 429.25,1101.73 436.75,1101.73 439,1099.48 439,1074.64 442.64,1071 448.75,1071 451,1073.25 451,1097.38 453.25,1099.63 460.75,1099.63 463,1097.38 463,1075.08 465.25,1072.83 479.83,1072.83 505,1098 637,1098 652,1113 743.51,1113 751.42,1120.91 773.09,1120.91 v4(787,1107)
  BOTTOM w3: J1.91@49,1248.48 50,1245 60,1255 v4(135,1255) ; v4(787,1107) 802,1122 886,1122 901,1137 901,1191 U3.AC14@914.36,1202.14